# Altium PCB LED_12T.PcbDoc
Units mm, origin at the board's own origin, x right, y up, seen from the top; angles counter-clockwise.
Board outline 152.4 x 101.6 mm, 2 copper layers (Top Layer, Bottom Layer); 36 components, 23 nets, 98 pads, 49 vias.
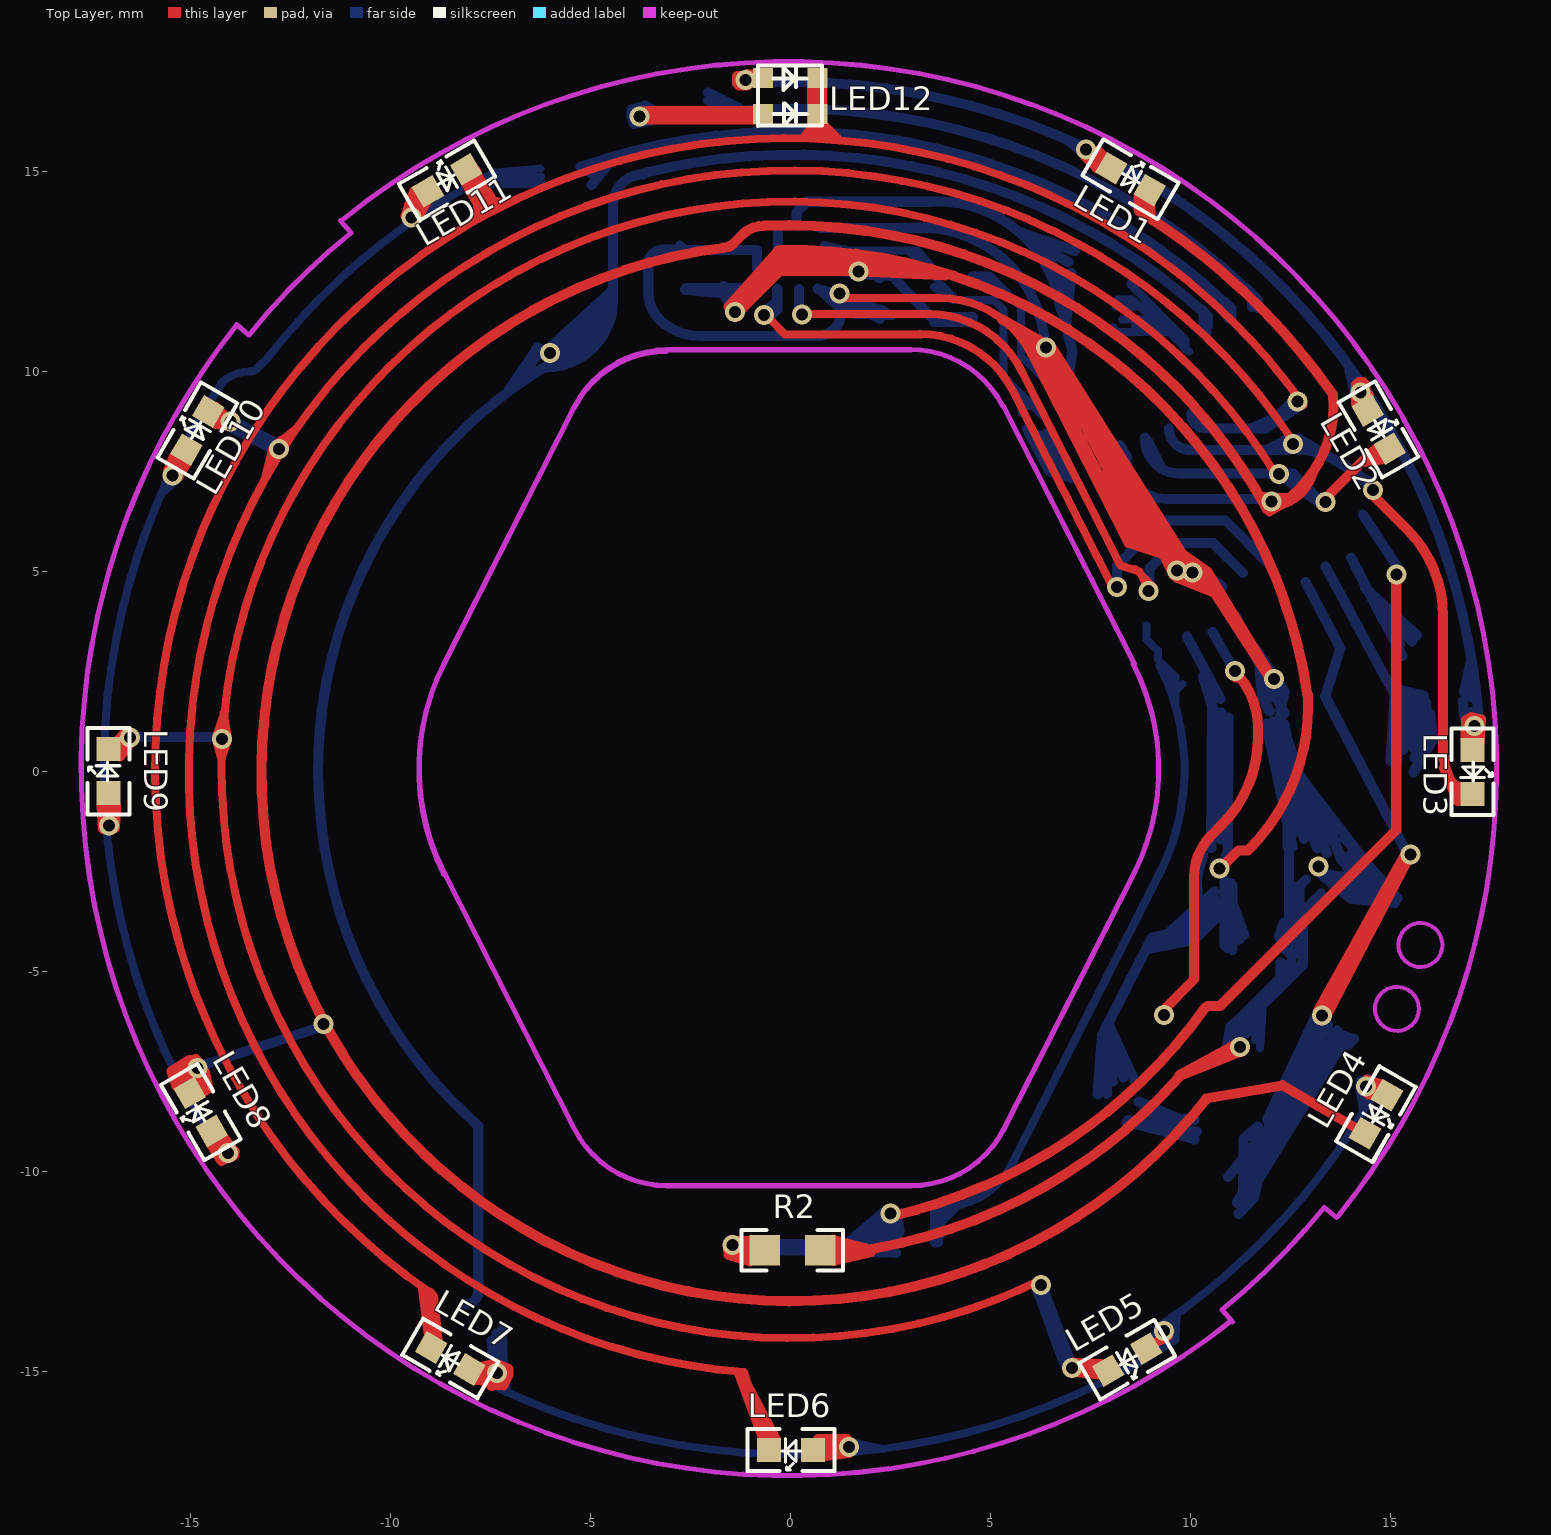
[diagram p0: Top Layer view]
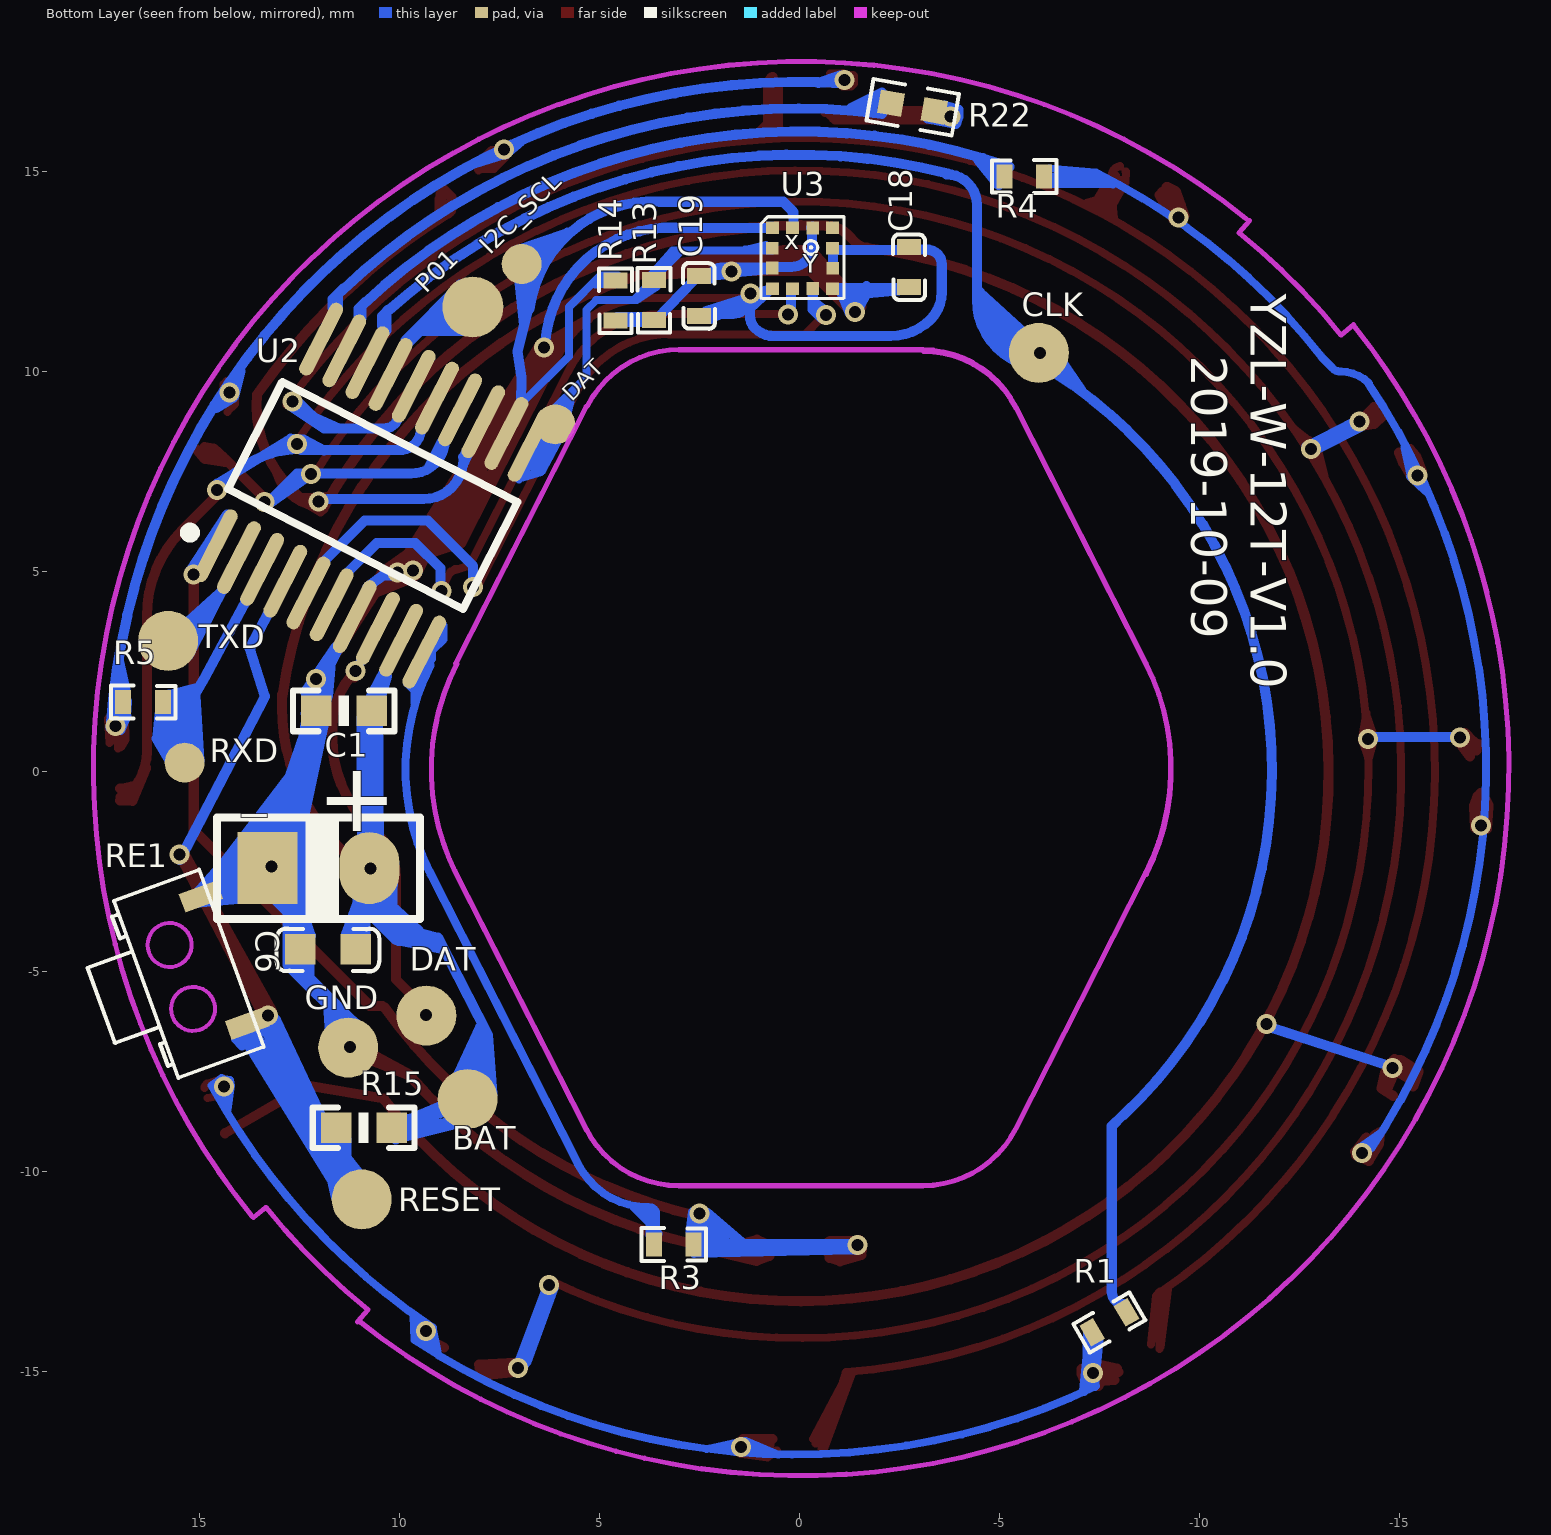
[diagram p1: Bottom Layer view, seen from below]

## Layer stack, top to bottom
Top Layer: signal copper 0.0356
Dielectric: dielectric 0.32, FR-4, Dk 4.8
Bottom Layer: signal copper 0.0356

## Board outline
-242.373,-165.35 -89.973,-165.35 -89.973,-63.75 -242.373,-63.75

## Design rules (kind name [scope] priority, off if disabled: settings)
Clearance [All] p1: gap=0.127
PolygonConnect [All] p1: connectstyle=Relief reliefconductorwidth=0.254 reliefentries=4 polygonreliefangle="90 Angle"
RoomDefinition LED_12T [InComponentClass('LED_12T')] p1: confinementstyle=ConfineIn formatcopy=TRUE lockcomponents=FALSE outline -267.773,-190.75 -216.973,-190.75 -216.973,-165.35 -267.773,-165.35
RoutingVias [All] p1: holewidth=0.3 width=0.5 viastyle="Through Hole" minholewidth=0.3 minwidth=0.5 maxholewidth=0.3 maxwidth=0.5
SilkscreenOverComponentPads [All] p1: minsilkscreentomaskgap=0.254
SolderMaskExpansion [All] p1: expansion=0.102
Width [All] p1: maxlimit=0.5 minlimit=0.127 preferedwidth=0.254
27 further rules are at their usual default settings.

## Classes and differential pairs
component class LED_12T: C1 C6 C18 C19 CLK DAT GND LED1 LED2 LED3 LED4 LED5 LED6 LED7 LED8 LED9 LED10 LED11 LED12 R1 R2 R3 R4 R5 R13 R14 R22 RE1 RESET RXD TXD U3

## Components (designator, comment, footprint, x,y, rotation, side; value= is the part's Value field where it differs from the comment)
BAT "测试点" 测试点#1 8.236,-8.195 r180 bottom (schematic designator 3V3)
C1 "104" 0603P 11.382,1.509 r180 bottom
C6 "2.2uF" 0603_C 11.784,-4.456 r180 bottom
C18 "104" 0402_C -2.741,12.617 r90 bottom
C19 "104" 0402_C 2.492,11.865 r270 bottom
CLK "测试点" 测试点#1 -6.044,10.459 r180 bottom
DAT "测试点" 测试点#1 9.267,-6.111 r180 bottom
GND "测试点" 测试点#1 11.22,-6.909 r180 bottom
LED1 "LED" 0402_LED 8.498,14.779 r330 top
LED2 "LED" 0402_LED 14.689,8.52 r300 top
LED3 "LED" 0402_LED 17.02,-0.034 r270 top
LED4 "LED" 0402_LED 14.606,-8.584 r240 top
LED5 "LED" 0402_LED 8.382,-14.71 r210 top
LED6 "LED" 0402_LED -0.017,-16.957 r180 top
LED7 "LED" 0402_LED -8.525,-14.661 r150 top
LED8 "LED" 0402_LED -14.752,-8.496 r120 top
LED9 "LED" 0402_LED -17.047,0.017 r90 top
LED10 "LED" 0402_LED -14.817,8.526 r60 top
LED11 "LED" 0402_LED -8.575,14.768 r30 top
LED12 "R_G_LED" 0603_R_G_LED -0.042,16.907 r0 top
P5 "" HDR1X2 13.285,-2.422 r180 bottom
R1 "1K" 0402_R#1 -7.793,-13.793 r150 bottom
R2 "1K" 0603_R -0.036,-11.995 r0 top
R3 "100K" 0402_R#2 3.072,-11.842 r180 bottom
R4 "1K" 0402_R#1 -5.606,14.899 r0 bottom
R5 "1K" 0402_R#1 16.376,1.694 r180 bottom
R13 "4.7K" 0402_R#2 3.641,11.717 r270 bottom
R14 "4.7K" 0402_R#2 4.603,11.708 r270 bottom
R15 "100K" 0603P 10.887,-8.915 r180 bottom (schematic designator C1)
R22 "1K" 0402_R#3 -2.834,16.615 r10 bottom
RE1 "KEY_M" "轻触开关 2x4" 15.329,-5.103 r70 bottom
RESET "测试点" 测试点#1 10.883,-10.703 r180 bottom
RXD "测试点" 测试点#2 15.311,0.213 r180 bottom
TXD "测试点" 测试点#1 15.722,3.26 r180 bottom
U2 "N76E003" STSOP20 10.287,7.084 r297 bottom
U3 "SC7A21" LGA-12-2*2*1 -0.09,12.885 r180 bottom

## Footprints (in the part's own frame and the unit in brackets; to place one, negate y for a bottom-side part, rotate by r counter-clockwise, add the part's x,y. Pads: shape width x height; smd on the part's side, far side on the other; paste and mask are expansions set on the pad)
0402_C [mm]
  rect 0.4x0.6 smd: 1(-0.518,-0.008) 2(0.485,-0.01)
  silkscreen extent -0.84,-0.41 0.8,0.39
0402_LED [mm]
  rect 0.6x0.6 smd: 1(-0.568,0.013) 2(0.532,0.013)
  silkscreen extent -1.1,-0.51 1.07,0.54
0402_R#1 [mm]
  rect 0.4x0.6 smd: 1(-0.522,0.032) 2(0.472,0.033)
  silkscreen extent -0.83,-0.38 0.78,0.44
0402_R#2 [mm]
  rect 0.4x0.6 smd: 1(-0.558,0.013) 2(0.435,0.013)
  silkscreen extent -0.86,-0.4 0.75,0.42
0402_R#3 [mm]
  rect 0.6x0.6 smd: 1(-0.558,0.013) 2(0.542,0.013)
  silkscreen extent -1.09,-0.51 1.08,0.54
0603_C [mil]
  rect 30x30 smd: 1(-27,0) 2(27.5,-0.06)
  silkscreen extent -50,-22 51,21
0603_R [mil]
  rect 30x30 smd: 1(-24.45,0.72) 2(30.05,0.65)
  silkscreen extent -47,-19 53,21
0603_R_G_LED [mm]
  rect 0.5x0.5 smd: 1(-0.652,-0.479) 2(-0.662,0.429) 3(0.702,0.426) 4(0.703,-0.472)
  silkscreen extent -0.78,-0.77 0.82,0.73
0603P [mil]
  rect 30x30 smd: 1(-27,0) 2(27.5,-0.06)
  silkscreen extent -50,-20 50,20
HDR1X2 [mm] "Connector; Header; 2 Position"
  rect 1.5x1.8 smd: 1(0,0)
  oval 1.5x1.8 smd: 2(2.54,0)
  silkscreen extent -1.27,-1.27 3.81,1.27
LGA-12-2*2*1 [mm]
  rect 0.32x0.32 smd: 1(-0.757,0.702) 2(-0.76,0.19) 3(-0.758,-0.308) 4(-0.751,-0.826) 5(-0.253,-0.826) 6(0.25,-0.82) 7(0.748,-0.826) 8(0.751,-0.314) 9(0.748,0.19) 10(0.748,0.699) 11(0.25,0.696) 12(-0.251,0.699)
  silkscreen extent -1.04,-1.07 1.04,0.97
STSOP20 [mm]
  oval 2x0.35 smd: 1(3.241,-3.17) 2(3.241,-2.52) 3(3.241,-1.87) 4(3.241,-1.22) 5(3.241,-0.57) 6(3.241,0.08) 7(3.241,0.73) 8(3.241,1.38) 9(3.241,2.03) 10(3.241,2.68) 11(-2.559,2.68) 12(-2.559,2.03) 13(-2.559,1.38) 14(-2.559,0.73) 15(-2.559,0.08) 16(-2.559,-0.57) 17(-2.559,-1.22) 18(-2.559,-1.87) 19(-2.559,-2.52) 20(-2.559,-3.17)
  silkscreen extent -1.16,-4.02 3.37,3.06
测试点#1 [mm]
  round 1.5 smd: 1(-0.051,0)
测试点#2 [mm]
  round 1 smd: 1(-0.051,0)
"轻触开关 2x4" [mm]
  rect 0.5x1 smd: 1(-1.66,-1.025) 2(1.723,-1.025)
  Keep-Out Layer circle w0.1: c-0.849,0.119 r0.55
  Keep-Out Layer circle w0.1: c0.851,0.124 r0.55
  silkscreen extent -2.34,-1.22 2.37,2.25

## Part data
C6 C18 C19: library part Cap, "Capac"
P5: library part "Header 2", "Header, 2-Pin"

## Free pads (board coordinates)
  round 1 smd far side: 0(6.093,8.67) 0(6.935,12.681)
  round 1.524 smd far side: 0(8.156,11.605)

## Via types
v1: diameter 0.5, hole 0.3, Top Layer to Bottom Layer, 49 vias

## Nets (pads, with @x,y where several pads share a name; then routed paths per layer and width w, separated by ;. In a path a pad name is that pad's centre, name@x,y a point inside that pad or via, vN(x,y) a via of type N, cw(c..) or ccw(c..) an arc to the next point about the centre after c; other vN are vias at no path point)
BAT: BAT.1 C1.2 C6.2 C18.1 C19.1 P5.2 R13.2 R14.2 R15.2 U2.9 U3.3 U3.7 U3.11 | length 99
  Top Layer w0.254: v1@-1.561,11.607 -0.329,12.995 -0.324,13.01 ; v1@-1.44,11.567 -0.198,12.869 1.674,12.793 ; v1@-1.287,11.496 -0.279,12.504 v1@1.686,12.504 ; -0.491,12.738 1.896,12.627 ; -0.243,13.033 cw(c-0.009,-0.034) 12.919,1.881 ; v1@1.521,12.495 v1@1.528,12.488 ; v1@1.589,12.475 1.619,12.945 ; v1@1.634,12.652 1.639,12.642 3.86,12.425 ; v1@1.684,12.491 3.85,12.395 ; 1.72,12.763 3.405,12.496 ; v1@10.745,-2.422 11.185,-1.981 11.43,-1.981 ; 11.447,-1.96 ccw(c7.882,1.606) 12.924,1.606 12.924,1.911
  Bottom Layer w0.254: C18.1@-2.643,12.037 -1.687,11.939 v1@-1.429,11.45 ; C18.1@-2.605,12.054 -2.626,12.075 U3.7@-0.819,12.075 ; -1.715,12.095 -1.681,12.128 ; -1.43,11.974 cw(c-1.633,11.772) -1.346,11.772 v1@-1.346,11.462 ; v1@-1.291,11.473 -1.233,11.947 ; v1@-1.264,11.457 -1.072,11.939 ; U3.11@-0.335,13.614 ccw(c-0.297,13.614) U3.11@-0.297,13.576 ; U3.11@-0.297,13.594 ccw(c-0.297,13.568) -0.324,13.568 -0.324,13.12 ccw(c0.188,13.12) 0.188,12.608 U3.3@0.567,12.608 ; U3.3@0.683,12.586 1.946,12.586 cw(c1.946,12.324) C19.1@2.208,12.324 ; U3.3@0.811,12.544 v1@1.717,12.454 ; v1@1.701,12.418 C19.1@2.488,12.376 ; C19.1@2.646,12.255 R13.2@3.549,11.317 ; R13.2@3.526,11.351 R14.2@4.548,11.347 ; R13.2@3.575,11.227 R14.2@4.485,11.227 ; BAT.1@7.671,-8.076 7.782,-6.598 9.024,-4.155 9.17,-4.134 10.245,-3.842 ; BAT.1@7.9,-8.069 7.913,-6.514 ; 7.948,-6.834 BAT.1@8.316,-7.659 ; 7.955,-7.243 BAT.1@8.052,-7.75 ; 7.969,-6.403 BAT.1@8.601,-7.75 ; BAT.1@8.388,-8.772 R15.2@10.083,-9.2 ; BAT.1@8.428,-8.722 R15.2@10.155,-9.007 ; BAT.1@8.693,-8.261 9.716,-8.688 10.037,-8.696 R15.2@10.083,-8.719 ; BAT.1@8.831,-8.505 R15.2@9.816,-8.856 ; 8.92,-4.446 10.016,-4.238 ; 9.003,-4.356 10.141,-4.051 ; 9.515,-3.977 P5.2@10.591,-3.006 ; 9.704,-4.119 9.907,-4.119 P5.2@10.711,-3.315 ; 9.717,-4.04 P5.2@10.57,-3.151 ; 9.777,-4.224 10.072,-4.224 10.773,-3.524 ; U2.9@9.901,3.362 10.524,2.199 10.521,-0.388 P5.2@10.507,-1.914 ; 10.173,-3.557 10.148,-2.65 P5.2@10.299,-2.096 ; U2.9@10.299,2.379 10.55,1.55 C1.2@10.565,1.55 ; 10.489,2.266 C1.2@10.74,1.806 ; P5.2@10.744,-1.704 C1.2@10.761,1.462 ; P5.2@10.835,-2.724 C6.2@11.33,-4.098 ; P5.2@10.854,-2.738 10.846,-2.746 10.846,-4.357 10.908,-4.418 C6.2@10.969,-4.418 ; P5.2@10.87,-2.132 10.929,-1.973 C1.2@10.937,1.344 ; P5.2@10.984,-2.792 11.037,-2.845 C6.2@11.037,-4.471 ; 11.103,-3.895 C6.2@11.217,-4.204
  other v1: 10.715,-2.437 -1.396,11.479 1.686,12.487
COM1: LED1.2 LED4.2 LED8.2 U2.13 | length 98.1
  Top Layer w0.254: LED8.2@-15.348,-7.884 -15.487,-7.5 -15.039,-7.222 -14.882,-7.203 -14.799,-7.298 -14.648,-7.537 -14.566,-7.935 LED8.2@-14.85,-8.116 ; -15.342,-7.733 v1@-14.844,-7.462 ; -15.338,-7.559 v1@-14.926,-7.323 ; v1@-14.85,-7.588 -14.717,-7.903 ; -0.693,13.631 ccw(c-0.693,12.895) -1.213,13.415 -1.435,13.193 cw(c-1.695,13.453) -1.695,13.085 ccw(c-0.016,-0.029) 10.387,-8.188 ; -0.676,13.634 cw(c-0.071,0.003) v1@11.894,6.563 ; 8.689,14.067 8.689,14.352 LED1.2@8.916,14.579 ; 8.704,14.001 cw(c0.056,0.009) 13.512,9.469 ; 8.765,13.939 ccw(c8.28,14.424) LED1.2@8.966,14.424 ; LED1.2@8.893,14.401 8.897,14.401 8.991,14.307 8.991,13.889 8.997,13.882 ; 10.374,-8.187 12.285,-7.852 LED4.2 ; v1@11.819,6.859 11.823,6.851 12.462,6.824 ; v1@11.928,6.623 ccw(c11.928,7.784) 13.035,7.435 ; 11.965,6.499 ccw(c10.553,9.159) 13.553,9.421
  Bottom Layer w0.25: 8.393,7.797 ccw(c9.389,7.797) 9.389,6.801 v1@11.781,6.801
  Bottom Layer w0.254: v1@-14.775,-7.38 v1@-11.717,-6.382 ; U2.13@8.198,8.1 8.365,7.737 ; U2.13@8.226,8.147 8.397,7.855
  other v1: -14.84,-7.417 -11.682,-6.322 12.017,6.743
COM2: LED2.2 LED5.2 LED9.2 U2.14 | length 90.3
  Top Layer w0.2: v1@-14.365,0.884 -14.154,1.495 ; v1@-14.352,0.711 -14.249,0.345 ; -14.236,0.332 -14.077,0.767 v1@-14.085,0.767 ; -14.189,1.457 v1@-14.068,0.802 ; v1@6.26,-12.712 cw(c-0.023,0.033) v1@12.131,7.393
  Top Layer w0.25: LED9.2@-17.064,0.664 ccw(c-17.064,0.966) -16.85,0.753 v1@-16.654,0.949 ; LED9.2@-17.057,0.664 ccw(c-17.057,1.251) -16.642,0.836 v1@-16.633,0.845 ; LED9.2@-16.939,0.512 ccw(c-16.939,0.981) -16.607,0.649 v1@-16.495,0.762 ; LED9.2@-16.77,0.362 v1@-16.438,0.81 ; v1@7.054,-15.023 LED5.2@7.915,-15.106 ; v1@7.068,-14.78 LED5.2@7.998,-14.828 ; v1@7.152,-14.87 LED5.2@7.984,-14.925 ; v1@13.317,6.776 14.31,7.769 cw(c14.936,7.143) LED2.2@14.936,8.028 ; 14.36,7.727 14.854,7.807 15.051,8.033 LED2.2@15.072,8.051 ; 14.372,7.833 14.634,8.069 LED2.2@14.86,8.101
  Bottom Layer w0.25: v1@-16.529,0.852 -14.193,0.852 cw(c-14.193,0.828) v1@-14.176,0.845 ; v1@6.139,-12.933 6.823,-14.781 6.98,-14.975 v1@6.998,-15.002 ; v1@6.25,-12.776 v1@7.063,-14.938 ; U2.14@8.85,8.339 8.924,8.239 9.252,7.605 ; U2.14@8.855,8.288 ccw(c9.705,8.288) 9.705,7.438 12.552,7.438 v1@13.241,6.75 ; v1@12.234,7.394 13.249,6.677 v1@13.253,6.669
  other v1: 7.027,-14.916 6.246,-12.849 -14.225,0.81 -16.529,0.845 13.358,6.724 12.207,7.429
COM3: LED3.2 LED6.2 LED10.2 U2.15 | length 93.6
  Top Layer w0.2: LED10.2@-14.636,8.877 -14.615,8.866 -14.386,8.658 v1@-13.979,8.595 ; -13.133,7.361 v1@-12.965,8.08 ; v1@-12.905,7.927 v1@-12.894,7.844 ; v1@-12.853,8.192 -12.374,8.567 ; -1.316,-15.064 LED6.2@-0.629,-16.931 ; -1.226,-15.043 LED6.2@-0.351,-16.695 ; -1.177,-15.024 cw(c-0.013,-0.025) v1@12.543,8.263 ; -1.163,-15.043 LED6.2@-0.559,-16.931 ; -0.601,-16.431 LED6.2@-0.407,-16.806
  Top Layer w0.25: LED10.2@-14.469,8.927 ccw(c-14.045,9.35) -14.045,8.751 v1@-13.996,8.751 ; LED10.2@-14.385,9.11 cw(c-14.385,9.091) -14.372,9.104 v1@-14.133,8.865 ; v1@-12.853,8.146 -12.78,8.219 v1@-12.743,8.256 ; v1@14.45,6.999 15.409,6.04 cw(c13.241,3.872) 16.307,3.872 16.307,0.497 ccw(c17.79,0.497) 16.741,-0.551 ccw(c16.962,-0.331) LED3.2@16.962,-0.643 ; 16.324,0.09 16.662,-0.748 16.955,-0.73 LED3.2@16.977,-0.73 ; 16.685,-0.386 16.966,-0.438 LED3.2@16.972,-0.438
  Bottom Layer w0.2: v1@-14.046,8.587 v1@-12.79,7.939 ; v1@-13.868,8.759 v1@-12.658,8.134
  Bottom Layer w0.25: v1@-13.95,8.736 -13.735,8.52 ccw(c-12.836,9.42) -12.836,8.148 cw(c-12.817,8.148) v1@-12.83,8.161 ; U2.15@9.45,8.571 ccw(c9.997,8.571) 9.997,8.024 12.396,8.024 ccw(c12.396,8.184) v1(12.557,8.184) ; 11.876,8.018 12.388,8.289 12.71,8.316 v1@14.551,7.189 ; v1@12.439,8.058 cw(c12.439,5.459) 14.277,7.297 v1(14.546,7.028)
  other v1: -12.793,8.053 -14.011,8.743
COM4: LED7.2 LED11.2 LED12.3 LED12.4 U2.16 | length 76.9
  Top Layer w0.2: -9.228,-12.954 LED7.2@-9.039,-14.399 ; -9.046,-13.018 cw(c-0.084,0.011) v1@12.819,9.153 ; -9.033,-13.03 LED7.2@-9.014,-14.443 ; -9.026,-13.004 -8.925,-13.118 LED7.2@-8.799,-14.329 ; LED11.2@-8.161,14.989 -8.167,14.989 -8.158,14.721 -7.724,13.947 -7.727,13.96 ; LED11.2@-8.057,14.782 -7.604,13.995 ; LED11.2@-8.028,15.132 -8.028,15.116 cw(c-8.028,14.912) -7.824,14.912 -7.351,14.128 ; LED11.2@-7.928,14.892 -7.448,14.054 ; -7.873,13.82 -7.821,14.313 ; -7.74,14.368 -7.186,14.206 ; 0.329,15.869 LED12.4@0.654,16.304 ; 0.493,15.839 ccw(c0.493,15.852) 0.506,15.852 0.506,17.226 cw(c0.519,17.226) 0.519,17.239 ccw(c0.519,17.361) 0.641,17.361 cw(c0.654,17.361) 0.654,17.374 LED12.3@0.661,17.374 ; LED12.3@0.68,17.368 cw(c0.68,17.323) 0.725,17.323 0.725,17.297 cw(c0.719,17.297) 0.719,17.291 cw(c0.719,17.213) 0.796,17.213 0.796,15.826 ccw(c0.822,15.826) 0.822,15.8 ; LED12.4@0.701,16.436 0.701,16.299 1.159,15.84 ; LED12.3@0.706,17.31 ccw(c0.706,17.303) 0.699,17.303 0.699,15.839 ccw(c0.719,15.839) 0.719,15.82 ; LED12.4@0.709,16.287 0.709,16.169 1.03,15.848
  Bottom Layer w0.25: U2.16@10.007,8.93 ccw(c10.366,8.93) 10.366,8.571 11.854,8.571 v1@12.553,9.27 ; 11.496,8.564 v1@12.664,9.089 ; 11.88,8.568 12.686,9.115 v1@12.707,9.21
  other v1: 12.664,9.246
GET1: R5.2 RXD.1 U2.3 | length 15.7
  Bottom Layer w0.254: U2.3@13.366,5.114 14.865,2.332 15.136,1.857 R5.2@15.741,1.543 ; RXD.1@14.995,0.256 15.087,1.887 ; 15.054,2.082 15.745,1.911 R5.2@15.828,1.874 ; RXD.1@15.154,0.226 15.307,1.795 15.307,1.808 ; RXD.1@15.295,0.531 15.435,1.038 15.435,1.063 ; 15.319,1.768 RXD.1@15.556,0.583 ; 15.342,1.92 R5.2@15.8,1.73 ; 15.499,1.711 RXD.1@15.679,0.568 ; RXD.1@15.563,-0.025 16.064,0.818 ; RXD.1@15.594,0.336 15.814,0.733 ; R5.2@15.725,1.761 15.78,0.798 ; R5.2@15.881,1.707 15.902,0.751 ; R5.2@15.982,1.432 15.985,1.425 16.039,0.884
GET2: CLK.1 R1.2 U2.18 | length 58.4
  Bottom Layer w0.254: R1.2@-8.131,-13.326 ccw(c-8.131,-13.012) -7.817,-13.012 -7.817,-8.878 -8.1,-8.594 ; -8.12,-8.59 cw(c0.018,0.007) CLK.1@-5.84,10.294 ; -7.047,9.543 -6.368,10.535 CLK.1@-6.341,10.589 ; -6.68,9.918 CLK.1@-6.394,10.339 ; CLK.1@-6.193,10.432 -4.515,11.972 -4.509,11.991 ; CLK.1@-6.131,10.093 ccw(c-6.131,11.779) -4.446,11.779 -4.446,14.168 cw(c-3.693,14.168) -3.693,14.921 ; CLK.1@-5.827,10.344 -4.591,11.694 ; CLK.1@-5.79,10.457 CLK.1@-5.449,10.962 ; CLK.1@-5.626,10.281 -4.616,11.423 ; CLK.1@-5.342,10.319 -4.723,11.006 -4.717,11.025 ; -3.722,14.944 cw(c0.048,0.068) 10.251,11.53 cw(c10.251,11.463) 10.318,11.463 10.318,11.045 ccw(c10.384,11.045) U2.18@10.384,10.979 ; 10.229,11.542 10.257,11.542 10.423,11.376 10.423,11.134
  other v1: -6.028,10.46
GET3: R4.2 U2.19 | length 19.2
  Bottom Layer w0.25: U2.19@10.935,11.321 10.935,11.538 cw(c10.959,11.538) 10.942,11.555
  Bottom Layer w0.254: R4.2@-5.258,15.11 cw(c-0.024,0.032) 10.895,11.673 ; R4.2@-4.99,14.652 -4.474,15.289 ; R4.2@-4.984,14.927 -4.749,15.157 ; 10.836,11.732 10.845,11.732 11.011,11.566 U2.19@11.011,11.352
GND: C1.1 C6.1 C18.2 C19.2 GND.1 P5.1 R2.2 RE1.2 U2.7 U3.1 U3.4 U3.8 U3.9 | length 155.6
  Top Layer w0.2: v1@1.184,11.826 3.728,11.826 ; 3.702,11.834 cw(c3.702,9.234) 6.02,10.412 ; 5.984,10.772 v1@6.221,10.452 ; 6.034,10.388 8.423,5.682 9.291,5.399 v1@9.553,4.882 ; 6.204,10.402 8.602,5.697 ; v1@6.336,10.524 8.835,5.718 ; v1@6.493,10.398 9.456,5.664 ; v1@6.518,10.644 v1@10.022,5.111 ; 8.799,5.7 8.933,5.566 9.011,5.566 ; 8.826,5.765 8.935,5.765 8.998,5.827 9.394,5.827 v1@10.14,5.082 ; 9.268,5.837 10.431,5.01 v1(12.074,2.305) ; 9.321,5.723 v1@9.994,5.05 ; v1@9.637,4.809 10.665,4.396 ; v1@9.95,4.887 10.352,4.686 ; v1@10.185,5.033 v1@11.973,2.272
  Top Layer w0.254: R2.2@0.683,-11.88 0.689,-11.886 1.056,-11.714 1.876,-11.932 ; R2.2@0.752,-12.104 0.746,-12.115 1.067,-12.242 2.002,-12.018 ; R2.2@0.872,-11.875 1.652,-11.989 ; R2.2@0.903,-12.086 ccw(c-0.225,1.087) 9.728,-7.617 ; 5.282,11.291 v1@6.404,10.65 ; 6.087,10.446 v1(6.375,10.598) ; 6.997,9.353 9.075,5.75 ; 7.772,7.373 8.608,5.91 ; 8.475,5.789 9,5.789 9.715,5.074 v1@9.715,4.839 ; 8.509,7.066 9.198,5.738 ; 9.717,-7.596 v1@11.168,-6.81 ; 9.725,-7.619 v1@11.244,-7.016
  Bottom Layer w0.2: GND.1@11.403,-6.575 11.612,-6.221 ; GND.1@11.596,-6.726 11.706,-6.033 ; GND.1@11.721,-6.93 11.805,-5.814
  Bottom Layer w0.254: C18.2@-2.777,13.144 -2.662,13.03 U3.9@-0.856,13.03 ; C18.2@-2.731,13.04 -2.755,13.04 -3.182,13.04 ccw(c-3.182,12.641) -3.465,12.923 ccw(c-3.22,12.678) -3.566,12.678 -3.566,11.971 ccw(c-2.607,11.971) -3.286,11.292 ccw(c-2.287,12.291) -2.287,10.879 0.63,10.879 ccw(c0.63,11.545) 1.101,11.074 ccw(c0.799,11.375) 1.226,11.375 v1@1.226,11.956 ; U3.8@-0.85,12.573 U3.9@-0.85,13.015 ; U3.4 v1@1.067,11.957 ; U3.1@0.731,13.581 3.068,13.581 ; U3.4@0.756,12.007 1.242,11.557 ; v1@1.222,11.87 ccw(c1.655,11.87) 1.655,11.437 2.308,11.437 cw(c2.308,11.415) 2.329,11.415 ccw(c2.336,11.415) 2.336,11.408 C19.2@2.542,11.408 ; v1@1.242,11.78 C19.2@2.223,11.308 ; v1@1.326,11.826 C19.2@2.342,11.495 ; v1@1.345,11.732 2.08,11.486 ; 3.097,13.585 cw(c3.253,10.489) v1@6.347,10.679 ; v1@9.835,4.899 10.41,4.888 U2.7@10.793,4.608 ; GND.1@10.887,-6.93 10.986,-6.382 11.362,-6.064 ; U2.7@11.095,3.901 C1.1@12.341,1.442 ; GND.1@11.169,-6.56 11.169,-6.234 12.245,-5.158 C6.1@12.245,-4.783 ; GND.1@11.239,-6.671 11.239,-6.393 12.794,-4.839 12.794,-3.52 P5.1@13.252,-3.062 ; U2.7@11.59,3.097 12.344,1.976 C1.1@12.245,1.524 ; 11.715,2.588 11.783,1.877 11.956,1.502 C1.1@11.973,1.498 ; C1.1@11.878,1.193 P5.1@12.541,-1.897 ; 11.926,1.968 C1.1@11.934,1.808 ; C1.1@12.037,1.244 P5.1@13.162,-1.931 ; 12.155,0.673 P5.1@12.827,-1.687 ; C1.1@12.214,1.361 P5.1@13.398,-2.048 ; 12.326,-3.785 12.206,-4.114 12.363,-4.469 C6.1@12.378,-4.463 ; C1.1@12.341,1.175 12.408,0.732 12.417,-1.881 ; 12.412,-5.047 12.412,-4.873 C6.1@12.509,-4.776 ; 12.45,-1.7 12.45,-4.548 C6.1@12.48,-4.578 ; C6.1@12.534,-4.563 12.618,-4.563 12.717,-4.464 12.717,-2.868 P5.1@12.877,-2.708 ; P5.1@12.541,-1.586 12.617,-1.167 ; C6.1@12.58,-4.166 12.58,-2.967 P5.1@12.656,-2.891 ; 12.648,-0.014 12.648,-0.021 RE1.2@14.917,-2.992 ; 13.062,-0.804 13.062,-0.827 14.052,-2.674 ; P5.1@13.305,-2.615 13.305,-2.634 14.012,-3.196 RE1.2@15.097,-3.29 ; 13.461,-1.344 P5.1@13.764,-2.231 ; P5.1@13.479,-2.581 14.464,-2.821 14.866,-2.951 RE1.2@14.902,-3.019 ; P5.1@13.645,-2.857 13.656,-2.857 RE1.2@14.595,-3.097 ; P5.1@13.752,-2.618 13.779,-2.654 RE1.2@15.16,-3.178 ; P5.1@13.833,-1.67 RE1.2@15.062,-3.051 ; P5.1@13.902,-2.413 RE1.2@14.826,-2.94 ; P5.1@13.965,-2.114 RE1.2@14.812,-3.017
  other v1: 11.229,-6.892 13.193,-2.382 10.035,4.967 9.655,5.019 1.22,11.947
I2C_SCL: pad.0@6.935,12.681 R14.1 U2.12 U3.12 | length 22.5
  Bottom Layer w0.2: U3.12@0.162,13.6 0.162,13.8 cw(c0.691,13.8) 0.317,14.174 cw(c0.457,14.034) 0.457,14.232 ; R14.1@4.53,12.394 4.968,12.394 5.755,11.607 5.755,10.373 U2.12@6.919,9.209
  Bottom Layer w0.254: U3.12@0.143,13.671 0.143,13.983 0.395,14.235 3.483,14.235 ; 3.513,14.239 cw(c3.669,11.144) 6.729,11.638 ccw(c6.925,11.638) 6.786,11.499 7.04,10.496 6.939,9.848 U2.12@6.954,9.193 ; R14.1@4.599,12.256 4.607,12.256 5.034,12.256 ; R14.1@4.677,12.219 5.083,12.198 ; 5.79,13.464 5.804,13.449 pad.0@7.097,13.006 ; 5.982,13.294 pad.0@6.935,12.732 ; 6.351,12.969 pad.0@6.602,12.54 ; 6.684,11.993 pad.0@6.735,12.34 ; pad.0@6.861,12.414 6.883,11.432 ; 6.876,11.158 pad.0@7.009,12.451
I2C_SDA: pad.0@6.093,8.67 R13.1 U2.11 U3.2 | length 15.9
  Bottom Layer w0.2: U3.2@0.677,13.013 2.937,13.013 R13.1@3.653,12.297 ; U3.2@0.824,13.151 1.354,13.036 ; 2.791,13.013 3.159,13.017 R13.1@3.739,12.359 ; R13.1@3.571,12.1 4.064,11.775 ; R13.1@3.736,12.181 4.143,11.774 5.072,11.774 5.318,11.528 5.318,9.858 pad.0@6.311,8.866 ; 5.653,9.454 5.659,9.448 pad.0@5.781,8.953 ; 5.848,9.253 pad.0@5.946,9.124 ; pad.0@5.869,8.556 6.446,7.479 U2.11@7.002,7.311 ; pad.0@6.208,8.434 7.002,7.298 U2.11@7.014,7.311 ; pad.0@6.245,8.208 6.245,8.196 6.642,7.463 ; pad.0@6.385,8.471 6.63,7.964
ICE_DAT: DAT.1 U2.8 | length 10.8
  Top Layer w0.254: v1@9.287,-5.999 10.076,-5.21 10.076,-2.658 cw(c11.578,-2.658) 10.516,-1.596 10.774,-1.338 ccw(c8.606,0.83) 11.672,0.83 11.672,1.091 ccw(c9.686,1.091) v1@11.091,2.495 ; v1@11.122,2.347 v1@11.122,2.539
  Bottom Layer w0.254: U2.8@10.54,3.48 v1(11.095,2.504)
  other v1: 9.328,-6.1
INT1: U2.6 U3.5 | length 17.2
  Top Layer w0.2: v1@0.264,11.424 3.474,11.424 ; 3.447,11.432 cw(c3.447,8.832) 5.765,10.009 ; 5.779,9.985 8.238,5.143 8.717,4.987 v1@8.901,4.623 ; 8.513,5.059 8.606,5.059 9.055,4.61 v1@9.062,4.61
  Bottom Layer w0.254: v1@0.201,11.441 U3.5@0.201,12.058 ; v1@8.962,4.508 8.962,5.072 9.592,5.702 10.557,5.702 U2.6@11.303,4.956
  other v1: 8.942,4.508 0.274,11.413
INT2: U2.5 U3.6 | length 18.9
  Top Layer w0.2: v1@-0.566,11.339 -0.146,10.919 3.258,10.919 ; 3.231,10.927 cw(c3.231,8.327) 5.549,9.505 ; 5.563,9.481 v1@8.104,4.476
  Bottom Layer w0.254: v1@-0.743,11.434 -0.416,11.687 ; v1@-0.537,11.349 -0.342,11.543 U3.6@-0.342,12.052 ; v1@8.148,4.664 8.148,5.129 9.285,6.265 10.862,6.265 U2.5@11.948,5.18
  other v1: 8.148,4.603 -0.669,11.399
KEY: R15.1 RE1.1 RESET.1 U2.4 | length 51.7
  Top Layer w0.254: v1@13.173,-6.002 15.381,-2.048 v1@15.362,-2.039 ; v1@13.354,-6.185 v1(15.492,-2.082)
  Bottom Layer w0.254: RESET.1@10.929,-10.147 R15.1@11.731,-9.139 ; RESET.1@11.151,-10.788 12.265,-8.712 ; RESET.1@11.197,-11.063 11.578,-10.658 R15.1@11.914,-9.147 ; RESET.1@11.289,-10.847 13.867,-6.682 ; RESET.1@11.304,-10.284 R15.1@11.792,-9.192 ; RESET.1@11.317,-10.472 11.298,-10.445 11.317,-9.198 11.677,-8.883 R15.1@11.677,-8.893 ; 11.334,-10.032 R15.1@11.609,-9.261 ; 11.625,-9.747 13.615,-6.598 ; R15.1@11.823,-9.131 13.22,-6.474 ; R15.1@11.907,-8.719 v1@13.075,-6.215 ; 12.103,-9.266 13.777,-6.656 ; U2.4@12.867,4.733 13.734,3.064 13.357,1.873 v1@15.484,-2.222 ; 13.073,-6.39 14.073,-6.694 ; RE1.1@13.419,-6.337 11.915,-9.161 11.907,-9.192 RE1.1@13.656,-6.482 ; 13.931,-6.85 14.073,-6.698
  other v1: 13.282,-6.113
LED12_A: LED1.1 LED2.1 LED3.1 LED12.2 R5.1 | length 40.4
  Top Layer w0.2: v1@-1.101,17.458 -1.089,17.446 LED12.2@-0.796,17.446 ; LED12.2@-0.779,17.437 -0.776,17.435 LED12.2@-0.768,17.435 ; v1@7.337,15.353 7.63,15.06 7.915,15.06 7.941,15.085 LED1.1@7.966,15.085 ; v1@7.354,15.411 7.624,15.411 cw(c7.624,15.021) 8.014,15.021 8.014,15.035 cw(c8.021,15.035) LED1.1@8.021,15.042 ; v1@7.484,15.4 7.703,15.18 LED1.1@7.751,15.18 ; v1@7.505,15.529 7.691,15.529 7.828,15.391 7.906,15.314 LED1.1@7.906,15.301 ; LED2.1@14.295,8.986 14.105,9.175 14.105,9.668 14.19,9.754 14.309,9.754 14.385,9.678 14.385,9.498 14.48,9.403 ; LED3.1@16.971,0.593 16.95,0.6 16.839,0.787 16.846,1.294 17.006,1.384 17.276,1.322 LED3.1@17.242,0.704 ; LED3.1@17.027,0.567 17.027,0.815 cw(c17.5,0.815) v1@17.165,1.149 ; v1@17.11,1.107 LED3.1@17.152,0.766
  Top Layer w0.254: v1@-1.209,17.377 -1.344,17.377 -1.344,17.2 -1.293,17.149 -1.089,17.149 -1.019,17.219 LED12.2@-0.721,17.219
  Bottom Layer w0.254: v1@-1.17,17.188 cw(c0.016,0.003) v1@17.208,1.076 ; v1@-1.03,17.39 -0.482,17.212 ; 6.95,15.754 v1@7.351,15.414 ; v1@7.368,15.431 8.135,15.19 ; 13.968,9.997 14.124,9.352 14.575,9.077 ; R5.1@16.801,1.749 16.822,1.382 16.972,1.03 v1@16.976,1.04 ; R5.1@16.83,1.97 17,2.75 ; 16.961,2.177 R5.1@17.011,1.86 ; R5.1@17.015,1.479 v1@17.04,1.258
  other v1: 17.084,1.128 14.235,9.467 7.377,15.542 -1.139,17.276
LED_SING: R22.2 U2.20 | length 17.1
  Bottom Layer w0.254: R22.2@-2.075,16.435 cw(c0.015,-0.019) 11.394,12.049 ; R22.2@-2.072,16.97 -1.296,16.582 ; R22.2@-2.068,16.766 -1.551,16.562 ; 11.394,12.049 11.528,11.915 U2.20@11.528,11.612 ; 11.396,12.067 11.661,11.802 U2.20@11.661,11.581
LIGNT_IN: R2.1 R3.2 U2.1 | length 40.4
  Top Layer w0.254: v1@-1.574,-11.946 ccw(c-1.48,-11.946) -1.48,-12.041 R2.1@-0.722,-12.041 ; -1.554,-12.092 -1.026,-12.253 -0.768,-12.167 R2.1@-0.763,-12.167 ; v1@-1.498,-11.725 ccw(c-1.473,-11.725) -1.473,-11.75 -0.792,-11.75 cw(c-0.792,-11.826) -0.716,-11.826 ccw(c-0.71,-11.826) R2.1@-0.71,-11.832 ; v1(-1.461,-11.845) -0.716,-11.845 cw(c-0.716,-11.877) R2.1@-0.685,-11.877 ; v1@2.558,-11.114 ccw(c-0.405,1.771) 10.358,-5.909 ; 10.415,-5.867 10.735,-5.867 15.133,-1.469 v1(15.133,4.92)
  Bottom Layer w0.254: v1(-1.461,-11.845) cw(c-1.442,-11.845) -1.442,-11.826 R3.2@2.597,-11.826 ; v1@-1.403,-11.961 R3.2@2.629,-12.042 ; 1.367,-11.846 v1@2.316,-11.032 ; 1.78,-11.833 v1@2.444,-11.161 ; 2.133,-11.773 2.461,-11.467 2.461,-11.458 ; R3.2@2.509,-11.751 2.532,-11.728 v1@2.532,-11.102 ; R3.2@2.511,-11.822 2.707,-11.523 v1@2.645,-11.017 ; v1@2.527,-10.942 2.613,-11.028 2.613,-11.487 ; U2.1@14.302,6.411 15.219,5.012 v1@15.227,5.004
  other v1: 2.492,-11.052
LIGNT_VDD: R3.1 U2.10 | length 21.1
  Bottom Layer w0.2: 3.78,-10.896 ccw(c3.78,-8.942) 5.522,-9.826 9.247,-2.491 ; U2.10@8.886,3.645 8.886,3.296 9.171,3.012 9.171,2.8 9.61,2.361 9.61,2.115 ; 9.21,-2.579 ccw(c4.052,0.041) 9.21,2.661 ; 9.49,2.249 9.49,2.365 U2.10@9.494,2.369 ; 9.615,1.706 9.615,2.012 U2.10@9.787,2.184
  Bottom Layer w0.254: 3.607,-11.392 4.112,-10.893 ; R3.1@3.613,-11.785 3.599,-11.785 3.599,-11.625 ccw(c3.537,-11.625) 3.537,-11.563 ccw(c3.537,-11.5) 3.599,-11.5 3.599,-11.07 cw(c3.738,-11.07) 3.738,-10.931 ; R3.1@3.655,-11.771 3.662,-11.771 cw(c3.662,-11.778) 3.669,-11.778 3.669,-11.653 cw(c3.717,-11.653) 3.717,-11.605 cw(c3.717,-11.598) 3.71,-11.598 3.71,-11.174 cw(c3.953,-11.174) 3.953,-10.931
NetLED4_1: LED4.1 LED5.1 LED6.1 LED7.1 R1.1 | length 46.7
  Top Layer w0.2: LED6.1@0.565,-16.98 0.551,-16.987 0.794,-17.16 v1@1.46,-17.07 ; LED6.1@0.683,-16.973 v1@1.363,-16.862 ; LED6.1@0.697,-17.049 v1@1.488,-16.973 ; v1@14.376,-8.048 14.438,-8.11 LED4.1@14.786,-8.173 ; v1@14.39,-7.68 14.806,-7.812 14.869,-7.895 LED4.1@14.869,-7.916 ; v1@14.529,-8.048 14.619,-7.826
  Top Layer w0.254: LED7.1@-7.981,-15.021 v1@-7.488,-15.228 ; LED7.1@-7.948,-14.932 -7.374,-14.812 -7.058,-14.944 -7.058,-15.064 -7.19,-15.357 -7.494,-15.345 ; LED7.1@-7.881,-15.221 -7.488,-15.257 -7.488,-15.364 ; LED7.1@-7.738,-14.992 v1@-7.353,-15.164 ; v1@-7.313,-14.983 -7.291,-15.315 ; LED6.1@0.672,-16.691 v1@1.397,-16.691 ; LED6.1@0.747,-16.844 0.816,-16.826 v1@1.329,-16.691 ; LED5.1@8.88,-14.407 v1@9.412,-14.136
  Bottom Layer w0.2: R1.1@-7.515,-14.216 -7.403,-15.393 ; -7.429,-15.371 ccw(c0.078,0.224) 9.612,-14.221 ; 0.516,-17.085 v1@1.349,-16.742 ; 0.926,-16.971 v1@1.41,-16.87 ; v1@1.443,-16.756 2.229,-16.93 ; 9.034,-14.515 v1@9.158,-13.908 ; v1@9.183,-13.89 ccw(c-0.181,0.167) 14.684,-7.853 ; 9.195,-14.458 v1@9.233,-13.97 ; 9.342,-14.311 v1@9.361,-13.804 ; 9.613,-14.212 9.636,-13.628 ; v1@14.2,-7.869 14.23,-7.718 14.445,-7.675 14.639,-7.821 ; v1@14.217,-7.92 14.294,-8.463 ; 14.389,-8.308 14.437,-8.032 v1@14.437,-8.024
  Bottom Layer w0.254: R1.1@-7.362,-14.055 v1@-7.248,-15.071 ; -7.351,-14.47 -7.265,-15.328 -7.261,-15.332 ; R1.1@-7.248,-14.289 -7.119,-15.492 ; R1.1@-7.225,-13.971 v1@-7.202,-15.025 ; v1@9.466,-14.121 9.489,-13.78
  other v1: 1.454,-16.895 -7.347,-15.041 9.326,-14.001 14.371,-7.887
NetLED8_1: LED8.1 LED9.1 LED10.1 LED11.1 R4.1 | length 44.5
  Top Layer w0.2: v1@-15.601,7.486 -15.44,7.898 -15.283,8.074 LED10.1@-15.25,8.069
  Top Layer w0.254: v1@-17.196,-1.446 -17.239,-0.877 -17.097,-0.569 LED9.1@-17.078,-0.583 ; v1@-17.061,-1.363 LED9.1@-17.044,-0.551 ; LED9.1@-16.964,-0.616 -16.874,-0.882 v1@-16.902,-1.417 ; v1@-15.454,7.434 -15.206,7.883 LED10.1@-15.2,7.895 ; v1@-15.316,7.353 -15.103,7.709 LED10.1@-14.999,7.96 ; LED8.1@-14.506,-9.03 -14.516,-9.062 -14.496,-9.317 -14.24,-9.745 -13.922,-9.609 -13.906,-9.51 LED8.1@-14.188,-9.155 ; LED8.1@-14.408,-9.081 v1@-14.143,-9.535 ; v1@-9.631,13.891 -9.414,14.507 -9.211,14.607 LED11.1@-9.189,14.607 ; -9.55,14.153 LED11.1@-9.079,14.473 ; v1@-9.463,13.973 LED11.1@-9.175,14.475 ; v1@-9.374,13.777 LED11.1@-9.011,14.404
  Bottom Layer w0.2: -15.675,6.992 v1@-15.273,7.371 ; v1@-15.285,7.428 -15.285,7.422 -15.13,8.099 ; -14.518,-9.052 v1@-14.008,-9.413 ; -14.301,-9.437 cw(c-0.003,0.075) -14.231,9.691 ; -14.25,9.697 ccw(c-14.25,9.701) -14.248,9.698 cw(c-13.549,9) -13.549,9.988 ccw(c-13.549,10.29) -13.335,10.076 -13.057,10.354 ; -13.059,10.363 cw(c-0.053,0.183) -7.421,14.965 R4.1@-6.255,15.067 ; -7.852,14.669 R4.1@-6.223,14.675 ; -7.594,14.824 R4.1@-6.246,14.864
  other v1: -14.07,-9.543 -17.044,-1.363 -15.458,7.395 -9.484,13.843
NetLED12_1: LED12.1 R22.1 | length 11.2
  Top Layer w0.127: v1@-3.778,16.246 ccw(c-3.778,16.35) v1@-3.705,16.277
  Top Layer w0.25: v1@-3.822,16.295 -0.897,16.295 LED12.1@-0.856,16.335 ; v1@-3.73,16.358 -3.587,16.501 -0.885,16.501 -0.864,16.48 LED12.1@-0.644,16.48 ; v1@-3.721,16.498 -3.588,16.498 -3.522,16.432 -3.394,16.432 ; v1@-3.707,16.307 -3.615,16.399 LED12.1@-0.788,16.399
  Bottom Layer w0.25: R22.1@-3.43,16.528 -3.644,16.638 -3.984,16.544 -3.981,16.36 -3.925,16.182 R22.1@-3.207,16.321
  other v1: -3.787,16.366
TXD: TXD.1 U2.2 | length 5.8
  Bottom Layer w0.254: U2.2 14.821,3.751 TXD.1@15.283,2.885 ; U2.2@14.358,4.575 TXD.1@15.654,3.393 ; 14.886,3.921 TXD.1@15.528,3.238 ; TXD.1@15.109,3.502 TXD.1@15.224,3.169
pads on no net: U2.17 U3.10
copper on no net: | length 9.4
  Bottom Layer w0.2: 8.058,11.088 8.051,11.088 8.155,10.984 9.467,10.984 ; 8.113,11.611 8.902,11.611 9.848,10.665 9.848,10.551 ; 8.176,11.796 8.544,11.796 8.96,11.38 ; 8.28,11.296 9.14,11.296 9.939,10.498 9.952,10.498 ; 8.488,12.192 8.488,12.164 9.869,10.783 9.869,10.665 ; 8.606,11.13 8.613,11.123 9.279,11.123

## Keep-outs
Keep-Out Layer:
  lines w0.127: -17.193,4.468 cw(c-0.045,0.086) -13.855,11.156 ; -17.153,4.625 ccw(c-0.045,0.086) 11.009,-13.738 ; -13.86,11.161 -13.554,10.904 cw(c-0.11,0.015) -10.999,13.459 -11.256,13.765 ; -11.169,13.82 cw(c-0.057,0.043) 17.617,-0.915 ; -8.68,-2.577 cw(c-3.521,0.043) -8.68,2.662 -5.426,9.07 cw(c-3.108,7.893) -3.108,10.493 ; 2.98,10.544 cw(c2.98,7.944) 5.298,9.121 ; 3.006,10.536 -3.095,10.536 ccw(c-3.095,7.936) -5.414,9.113 -8.667,2.706 ccw(c-3.509,0.086) -8.667,-2.534 -5.414,-8.941 ccw(c-3.095,-7.764) -3.095,-10.364 3.006,-10.364 ; 5.312,-8.985 8.566,-2.577 ; 5.325,9.113 8.585,2.692 ; 8.557,2.678 cw(c3.284,0.001) 9.127,0.917 ; 8.567,-2.572 ccw(c3.408,0.048) 8.567,2.668 ; 8.604,-2.484 5.325,-8.941 ; 11.035,-13.766 10.778,-13.46 ccw(c-0.111,-0.016) 13.333,-10.905 13.639,-11.162 ; 13.672,-11.129 ccw(c-0.057,0.043) 17.619,-0.883 ; 3.006,-10.364 ccw(c3.006,-7.764) 5.325,-8.941 ; 3.006,-10.364 ccw(c3.006,-7.764) 5.325,-8.941

## Silkscreen, mask and mechanical layers (free items; w line width, h text height)
Top Overlay:
  text "玻纤双面板 有铅喷锡  35*35mm 厚度=0.6mm," at -14.495,-21.924 h1.52
Bottom Overlay:
  region: 12.344,-1.151 11.506,-1.151 11.506,-3.734 12.344,-3.734
  text "I2C_SCL" at 7.614,12.769 h0.8 r315
  text "YZL-W-12T-V1.0" at -10.992,11.935 h1.52 r90
  text "P01" at 9.207,11.816 h0.8 r315
  text "2019-10-09" at -9.507,10.39 h1.52 r90
  text "DAT" at 5.585,9.121 h0.7 r315
  text "+" at 10.047,0.569 h3 r180
  text "-" at 13.185,0.047 h3 r180
Bottom Solder:
  lines w0.2: 5.988,8.538 6.287,7.707 6.446,7.451 6.892,7.322 ; 6.251,8.22 6.519,7.567 ; 6.342,8.361 6.678,7.426

## Text inside footprints (layer, text, board x,y; h text height)
U3: Bottom Overlay "Y" at -0.097,12.3 h0.8; Bottom Overlay "x" at 0.376,12.888 h0.8